# Altium PCB CM4-Tower.PcbDoc (part 5 of 10)
Units mil, origin at the board's own origin, x right, y up, seen from the top; angles counter-clockwise.
Board outline 1968.5 x 5354.33 mil, 8 copper layers (Top Layer, Layer 2, Layer 3, Layer 4, Layer 5, Layer 6, Layer 7, Bottom Layer), stack 61.408 mil thick; 632 components, 480 nets, 2338 pads, 1074 vias.
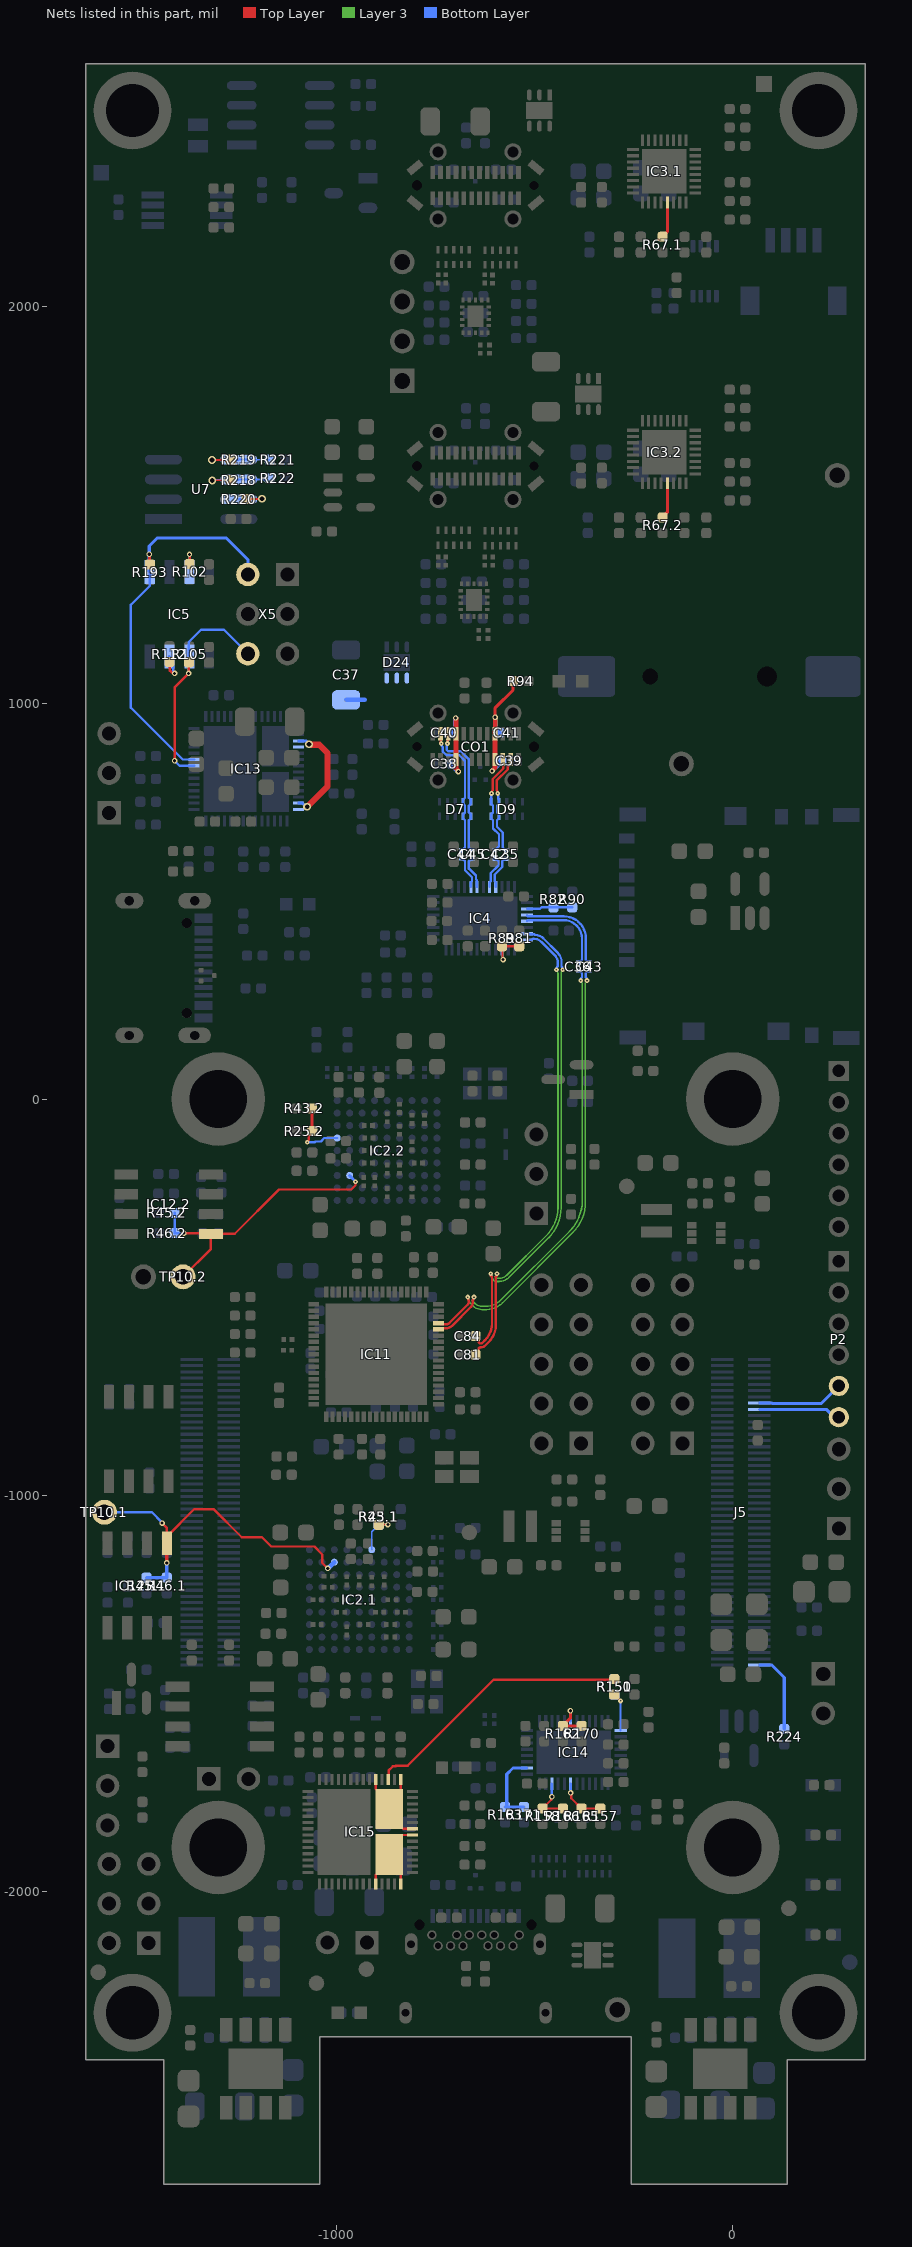
[diagram p11: the nets of this part, all layers, seen from the top]

## Via types
v1: diameter 13.78, hole 7.87, Top Layer to Bottom Layer, tented both sides, 538 vias
v2: diameter 11.81, hole 3.94, Top Layer to Bottom Layer, tented both sides, 294 vias
v3: diameter 19.68, hole 11.81, Top Layer to Bottom Layer, tented both sides, 193 vias
v4: diameter 31.5, hole 19.68, Top Layer to Bottom Layer, tented both sides, 49 vias

## Nets (pads, with @x,y where several pads share a name; then routed paths per layer and width w, separated by ;. In a path a pad name is that pad's centre, name@x,y a point inside that pad or via, vN(x,y) a via of type N, cw(c..) or ccw(c..) an arc to the next point about the centre after c; other vN are vias at no path point) (continued)
DP_SPI_DO.1: IC2.1.C2 IC12.1.5 R45.1.2 R46.1.1 TP10.1.1 | length 884.5
  Top Layer w5.91: v1(-1440.94,-1070.87) -1428.94,-1082.87 IC12.1.5@-1428.94,-1104.35 ; IC12.1.5@-1428.94,-1121.57 IC12.1.5@-1428.94,-1104.35 ; v1(-1022.75,-1185.22) -1036.43,-1171.54 -1036.43,-1149.96 -1056.47,-1129.92 -1165.35,-1129.92 -1188.98,-1106.3 -1240.16,-1106.3 -1311.02,-1035.43 -1360.02,-1035.43 IC12.1.5@-1428.94,-1104.35
  Top Layer w7.87: v1(-1429.13,-1171.26) IC12.1.5@-1429.13,-1121.77
  Bottom Layer w5.91: TP10.1.1@-1586.61,-1043.31 -1466.7,-1043.31 -1440.94,-1069.06 v1(-1440.94,-1070.87)
  Bottom Layer w7.87: R45.1.2@-1480.32,-1208.66 R46.1.1@-1429.13,-1208.66 v1(-1429.13,-1171.26)
  Bottom Layer w11.81: v1(-1022.75,-1185.22) -1022.38,-1184.84 -1021.49,-1184.84 IC2.1.C2@-1006.12,-1169.47
DP_SPI_DO.2: IC2.2.C2 IC12.2.5 R45.2.2 R46.2.1 TP10.2.1 | length 725.4
  Top Layer w5.91: TP10.2.1@-1388.19,-448.82 -1317.82,-378.45 IC12.2.5@-1317.82,-340.29 ; v1(-1385.83,-338.58) IC12.2.5@-1319.53,-338.58 ; IC12.2.5@-1317.82,-340.11 -1257.54,-340.11 -1145.78,-228.35 -963.35,-228.35 -952.76,-217.76 v2(-952.76,-208.66)
  Bottom Layer w5.91: R45.2.2@-1409.45,-287.4 R46.2.1@-1409.45,-338.58 v1(-1385.83,-338.58)
  Bottom Layer w7.87: IC2.2.C2@-967.37,-192.91 -967.37,-193.48 -952.76,-208.09 v2(-952.76,-208.66)
DP_SPI_HOLD: IC5.7 R102.2 | length 60.1
  Top Layer w6.1: v1(-1371.83,1375.37) -1371.67,1375.21 -1371.67,1351.21 R102.2@-1371.52,1351.05
  Bottom Layer w6.1: IC5.7@-1372.26,1339.85 -1371.83,1340.28 v1(-1371.83,1375.37)
DP_SPI_MISO: IC5.2 IC13.36 R105.2 X5.6 | length 584.9
  Top Layer w6.1: v1(-1409.45,854.33) -1409.45,1039.37 v1(-1374.02,1074.8) -1373.41,1075.41 -1373.41,1102.45 R105.2@-1372.8,1103.06
  Bottom Layer w6.1: v1(-1409.45,854.33) -1396.65,841.54 IC13.36@-1360.24,841.54 ; v1(-1374.02,1074.8) -1374.02,1153.54 -1342.52,1185.04 -1285.04,1185.04 X5.6@-1224.41,1124.41
DP_SPI_MOSI: IC5.5 IC13.37 R193.2 X5.2 | length 986.5
  Top Layer w7.87: v1(-1473.49,1375.68) -1472.64,1374.84 -1472.64,1350.45 R193.2@-1471.8,1349.61
  Bottom Layer w6.1: IC5.5@-1472.17,1331.03 -1472.28,1330.92 -1472.28,1295.43 -1519.69,1248.03 -1519.69,988.19 -1388.78,857.28 IC13.37@-1360.24,857.28
  Bottom Layer w7.87: IC5.5@-1472.17,1331.03 -1473.49,1332.35 -1473.49,1396.59 -1453.74,1416.34 -1278.54,1416.34 -1224.41,1362.2 X5.2@-1224.41,1324.41
DP_SPI_WP: IC5.3 R112.2 | length 85.5
  Top Layer w6.1: R112.2@-1422.37,1103.92 -1421.33,1102.87 -1421.33,1081.97 -1415.62,1076.27 -1410.92,1076.27 v1(-1409.45,1074.8)
  Bottom Layer w6.1: IC5.3@-1422.64,1117.64 -1412.43,1107.43 -1412.43,1079.86 -1409.45,1076.88 v1(-1409.45,1074.8)
DP_SSEQ0: IC4.11 R81.2 R89.1 | length 105.3
  Top Layer w5.91: v1(-580.18,351.91) -581.43,353.16 -581.43,384.58 R89.1@-582.68,385.83 R81.2@-539.37,385.83
  Bottom Layer w5.91: IC4.11@-582.68,377.95 -581.69,376.97 -581.69,355.56 -580.18,354.04 v1(-580.18,351.91)
DP_SSEQ1: IC4.3 R82.2 R90.1 | length 115.8
  Bottom Layer w5.91: IC4.3@-519.68,480.31 -487.07,480.31 -483.14,484.25 R82.2@-452.76,484.25 R90.1@-405.51,484.25
DP_TX1_C_N: C45.2 IC4.34 | length 86.3
  Bottom Layer w5.91: C45.2@-657.09,607.68 -660.04,604.72 -662.88,604.72 -666.34,601.27 -666.34,581.83 -648.62,564.12 -648.62,554.85 -646.65,552.88 -646.65,536.42 IC4.34@-645.67,535.43
DP_TX1_C_P: C44.2 IC4.33 | length 86.3
  Bottom Layer w5.91: C44.2@-685.43,607.68 -682.48,604.72 -679.64,604.72 -676.18,601.27 -676.18,577.76 -658.46,560.04 -658.46,550.2 -661.42,547.24 IC4.33@-661.42,535.43
DP_TX1_N: C45.1 CO1.3 D7.1 D7.10 | length 352.4
  Top Layer w5.91: v2(-720.47,897.64) -719.49,898.62 -719.49,921.46 CO1.3@-718.5,922.44
  Bottom Layer w5.91: v2(-720.47,897.64) -720.47,896.04 -722.43,894.08 -722.43,881.41 -718.97,877.95 -686.78,877.95 -666.34,857.51 -666.34,760.84 -662.88,757.38 -662.4,757.38 -661.42,756.4 D7.10@-661.42,750.98 -661.42,745.57 -662.4,744.59 -662.88,744.59 -666.34,741.13 -666.34,723.44 -662.88,719.98 -662.4,719.98 -661.42,719 D7.1@-661.42,713.58 -661.42,708.17 -662.4,707.19 -662.88,707.19 -666.34,703.73 -666.34,692.53 -666.34,671.54 -666.34,634.96 -662.88,631.5 -660.04,631.5 C45.1@-657.09,628.54
DP_TX1_P: C44.1 CO1.2 D7.2 D7.9 | length 353.2
  Top Layer w5.91: CO1.2@-738.19,922.44 -737.2,921.46 -737.2,898.62 v2(-736.22,897.64)
  Bottom Layer w5.91: v2(-736.22,897.64) -735.09,896.51 -735.09,891.38 -732.28,888.56 -732.28,877.34 -723.05,868.11 -690.85,868.11 -676.18,853.44 -676.18,760.84 -679.64,757.38 -680.12,757.38 -681.1,756.4 D7.9@-681.1,750.98 -681.1,745.57 -680.12,744.59 -679.64,744.59 -676.18,741.13 -676.18,723.44 -679.64,719.98 -680.12,719.98 -681.1,719 D7.2@-681.1,713.58 -681.1,708.17 -680.12,707.19 -679.64,707.19 -676.18,703.73 -676.18,688.46 -676.18,675.61 -676.18,634.96 -679.64,631.5 -682.48,631.5 C44.1@-685.43,628.54
DP_TX2_C_N: C42.2 IC4.36 | length 86.3
  Bottom Layer w5.91: IC4.36@-614.17,535.43 -614.17,547.24 -611.22,550.2 -611.22,570.56 -591.77,590.01 -591.77,600.73 -595.23,604.19 -597.9,604.19 C42.2@-600.85,607.15
DP_TX2_C_P: C35.2 IC4.37 | length 86.3
  Bottom Layer w5.91: IC4.37@-598.43,535.43 -598.43,547.24 -601.38,550.2 -601.38,566.49 -581.93,585.93 -581.93,600.73 -578.47,604.19 -575.81,604.19 C35.2@-572.85,607.15
DP_TX2_N: C42.1 CO1.23 D9.5 D9.6 | length 259.6
  Top Layer w5.91: v2(-609.25,771.65) -608.12,772.78 -608.12,777.91 -606.3,779.74 -606.3,808.22 -579.57,834.96 -579.57,855.94 CO1.23@-580.71,857.09
  Bottom Layer w5.91: v2(-609.25,771.65) -609.74,771.16 -609.74,751.48 D9.6@-610.24,750.98 -610.24,745.57 -609.25,744.59 -608.77,744.59 -605.32,741.13 -605.32,723.44 -608.77,719.98 -609.25,719.98 -610.24,719 D9.5@-610.24,713.58 -610.24,708.17 -609.25,707.19 -608.77,707.19 -605.32,703.73 -605.32,683.42 -590.55,668.66 -590.55,653.46 -590.55,638.31 C42.1@-600.85,628.01
DP_TX2_P: C35.1 CO1.22 D9.4 D9.7 | length 262.5
  Top Layer w5.91: v2(-593.5,771.65) -594.63,772.78 -594.63,777.91 -596.46,779.74 -596.46,804.15 -567.91,832.69 -567.91,839.37 -561.02,846.26 CO1.22@-561.02,857.09
  Bottom Layer w5.91: v2(-593.5,771.65) -592.37,770.52 -592.37,758.22 -590.55,756.4 D9.7@-590.55,750.98 -590.55,745.57 -591.54,744.59 -592.01,744.59 -595.47,741.13 -595.47,723.44 -592.01,719.98 -591.54,719.98 -590.55,719 D9.4@-590.55,713.58 -590.55,708.17 -591.54,707.19 -592.01,707.19 -595.47,703.73 -595.47,687.5 -580.71,672.74 -580.71,649.38 -580.71,635.87 C35.1@-572.85,628.01
DP_USB3_RX_C_N: C43.1 IC4.4 | length 247.9
  Bottom Layer w5.91: IC4.4@-519.68,464.57 ccw(c-516.73,464.57) -516.73,461.61 -463.72,461.61 -427.16,461.61 cw(c-427.16,405.52) -371.06,405.52 -371.06,351.49 -367.6,348.03 -365.16,348.03 C43.1@-362.2,345.08
DP_USB3_RX_C_P: C36.1 IC4.5 | length 232.4
  Bottom Layer w5.91: IC4.5@-519.68,448.82 cw(c-516.73,448.82) -516.73,451.77 -427.16,451.77 cw(c-427.16,405.52) -380.91,405.52 -380.91,351.49 -384.37,348.03 -386.81,348.03 C36.1@-389.76,345.08
DP_USB3_RX_N: C43.2 IC11.65 | length 1152.2
  Top Layer w5.91: IC11.65@-742.92,-565.82 ccw(c-736.75,-559.64) -736.75,-568.38 -724.49,-568.38 ccw(c-723.54,-567.43) -723.54,-568.77 ccw(c-723.54,-558.31) -716.14,-565.71 -669.1,-518.67 ccw(c-675.78,-511.99) -666.34,-511.99 -666.34,-509.37 ccw(c-669.45,-509.37) -667.25,-507.18 cw(c-665.05,-504.97) -668.16,-504.97 -668.16,-502.73 ccw(c-672.02,-502.73) v2(-669.29,-500)
  Layer 3 w3.94: v2(-669.29,-500) ccw(c-664.15,-500) v2@-667.79,-503.63 ; v2@-667.78,-503.64 -667.32,-504.1 cw(c-672.08,-508.85) -665.35,-508.85 -665.35,-509.42 ccw(c-657.27,-509.42) -664.5,-513.03 ccw(c-657.27,-509.42) -662.99,-515.13 ; -662.99,-515.13 -655.96,-522.16 ccw(c-633.42,-499.62) -633.42,-531.5 -621.86,-531.5 ccw(c-621.86,-474.83) -581.8,-514.91 ; -581.79,-514.9 -404.57,-337.68 ccw(c-483.08,-259.17) -372.05,-259.17 -372.05,293.14 -368.11,297.08 v2(-368.11,299.21)
  Bottom Layer w5.91: v2(-368.11,299.21) -368.11,304.34 -371.06,307.3 -371.06,317.8 -367.6,321.26 -365.16,321.26 C43.2@-362.2,324.21
DP_USB3_RX_P: C36.2 IC11.64 | length 1142.4
  Top Layer w5.91: IC11.64@-742.92,-581.57 cw(c-736.75,-587.75) -736.75,-579.01 -724.49,-579.01 cw(c-723.54,-579.96) -723.54,-578.61 -723.48,-578.61 ccw(c-723.48,-558.44) -709.22,-572.71 -660.7,-524.19 ccw(c-670.86,-514.03) -656.5,-514.03 -656.5,-509.37 cw(c-653.38,-509.37) -655.59,-507.18 ; -655.58,-507.17 ccw(c-657.79,-504.97) -654.67,-504.97 -654.67,-502.73 cw(c-650.82,-502.73) v2(-653.54,-500)
  Layer 3 w3.94: v2@-655.05,-503.64 -656.27,-504.85 ccw(c-653.33,-507.79) -657.48,-507.79 ccw(c-653.33,-507.79) -656.27,-510.72 -650.42,-516.56 ccw(c-633.38,-499.52) -633.38,-523.62 -625.12,-523.62 ccw(c-625.12,-466.95) -585.05,-507.02 -412.44,-334.42 ccw(c-490.96,-255.91) -379.92,-255.91 -379.92,293.14 -383.86,297.08 v2(-383.86,299.21) ; v2@-655.04,-503.63 ccw(c-658.69,-500) v2(-653.54,-500)
  Bottom Layer w5.91: C36.2@-389.76,324.21 -386.81,321.26 -384.37,321.26 -380.91,317.8 -380.91,307.3 -383.86,304.34 v2(-383.86,299.21)
DP_USB3_TX_N: C84.1 IC4.7 | length 1244.3
  Top Layer w5.91: C84.1@-649.61,-598.43 C84.1@-645.09,-602.94 ; C84.1@-645.08,-602.95 cw(c-651.85,-609.7) -642.29,-609.7 -642.29,-611.22 ccw(c-636.38,-611.22) -640.56,-615.4 ccw(c-636.38,-611.22) -636.38,-617.13 ccw(c-636.38,-611.22) -632.21,-615.4 -625.49,-608.68 ; -625.49,-608.68 ccw(c-667.23,-566.93) -608.19,-566.93 -608.19,-449.03 -611.15,-446.08 v2(-611.15,-440.94)
  Layer 3 w3.94: v2(-611.15,-440.94) ccw(c-606,-440.94) v2@-609.65,-444.57 ; v2@-609.64,-444.58 -609.18,-445.04 cw(c-613.93,-449.8) -607.21,-449.8 -607.21,-450.36 ccw(c-599.12,-450.36) -604.85,-456.07 -603.74,-457.18 ccw(c-595.41,-448.85) -595.41,-460.63 -589.6,-460.63 ccw(c-589.6,-426.55) -565.5,-450.65 -465.07,-350.22 ccw(c-541.28,-274.02) -433.51,-274.02 -433.51,317.27 cw(c-425.21,317.27) -431.07,323.13 ccw(c-434.71,326.77) v2(-429.57,326.77) cw(c-429.57,328.4) v2@-430.72,327.25
  Bottom Layer w5.91: IC4.7@-519.68,417.32 ccw(c-517.31,419.7) -517.31,416.34 -503.63,416.34 cw(c-503.63,412.98) -501.26,415.36 ccw(c-498.88,417.73) -498.88,414.37 cw(c-498.88,385.86) -498.46,414.37 ccw(c-498.43,420.27) -498.35,414.37 -498.15,414.37 cw(c-498.15,407.48) -497.51,414.34 ccw(c-497.02,420.23) -497.38,414.33 cw(c-498.88,385.86) -478.73,406.04 ; -478.71,406.02 -442.76,370.07 cw(c-469.32,343.51) -432.52,351.03 -432.52,336.14 ccw(c-429.41,336.14) -431.76,334.11 ccw(c-429.41,336.14) -431.61,333.94 cw(c-433.81,331.74) -430.7,331.74 -430.7,329.5 ccw(c-426.84,329.5) v2(-429.57,326.77)
DP_USB3_TX_P: C81.1 IC4.8 | length 1222.1
  Top Layer w5.91: C81.1@-649.61,-645.67 -645.08,-641.15 ccw(c-651.85,-634.39) -642.29,-634.39 -642.29,-632.87 cw(c-636.38,-632.87) -640.56,-628.7 cw(c-636.38,-632.87) -636.38,-626.97 ccw(c-636.34,-611.33) -625.28,-622.39 -615.64,-612.75 ccw(c-657.39,-571.01) -598.35,-571.01 -598.35,-449.03 -595.4,-446.08 v2(-595.4,-440.94)
  Layer 3 w3.94: v2@-596.91,-444.58 -598.06,-445.74 ccw(c-594.98,-448.82) -599.34,-448.82 ccw(c-595.4,-448.82) -599.31,-449.28 ccw(c-595.4,-448.82) -598.18,-451.6 ccw(c-595.4,-448.82) -595.4,-452.76 -589.67,-452.76 ccw(c-589.67,-426.36) -571.02,-445.03 ; v2@-596.9,-444.57 ccw(c-600.54,-440.94) v2(-595.4,-440.94) ; -571.01,-445.02 -470.67,-344.68 ccw(c-541.38,-273.97) -441.38,-273.97 -441.38,317.27 ccw(c-449.68,317.27) -443.81,323.13 cw(c-440.17,326.77) v2(-445.32,326.77) v2@-441.38,326.77
  Bottom Layer w5.91: IC4.8@-519.68,401.57 -509.96,401.57 ccw(c-509.96,406.62) -506.4,403.05 cw(c-502.83,399.49) -502.83,404.53 cw(c-502.83,376.3) -482.87,396.26 -450.12,363.51 cw(c-470.69,342.94) -442.36,349.55 -442.36,336.14 cw(c-445.48,336.14) -443.27,333.94 ccw(c-441.07,331.74) -444.19,331.74 -444.19,329.5 cw(c-448.04,329.5) v2(-445.32,326.77)
DP_VBUS: C37.1 C38.1 C39.1 C40.1 C41.1 CO1.4 CO1.9 CO1.24 CO1.29 D24.4 D24.5 D24.6 IC13.3 IC13.4 IC13.13 IC13.14 R94.1 | length 847
  Top Layer w7.87: v1(-600.03,963.96) -600.03,987.61 -555.12,1032.52 R94.1@-555.12,1055.12
  Top Layer w11.81: v1(-699.74,962.17) -699.74,961.63 -698.82,960.71 CO1.4@-698.82,922.44 CO1.29@-698.82,857.09 -698.82,834.65 -693.29,829.12 -693.29,827.15 v1(-692.91,826.77) ; v1(-607.76,828.33) -607.76,828.86 -600.39,836.22 CO1.9@-600.39,922.44 CO1.9@-600.39,933.27 ; CO1.9@-600.03,933.64 v1@-600.03,963.42
  Top Layer w15.75: v3(-1074.8,737.82) -1023.62,789.01 -1023.62,874.02 -1044.02,894.41 -1068.7,894.41 v3(-1070.2,895.92)
  Bottom Layer w7.87: IC13.13@-1096.46,747.05 -1086.61,747.05 -1086.61,746.52 -1077.92,737.82 v3(-1074.8,737.82) ; IC13.3@-1096.46,904.53 -1077.79,904.53 -1070.2,896.95 v3(-1070.2,895.92)
  Bottom Layer w11.81: C37.1@-976.38,1007.87 -929.13,1007.87 ; C38.1@-708.66,846.46 -708.66,842.52 v1(-692.91,826.77) ; C40.1@-708.66,925.2 -702.08,931.78 -702.08,935.99 -700.12,937.95 -700.12,961.79 v1(-699.74,962.17) ; v1(-607.76,828.33) -607.76,828.86 -592.13,844.49 -592.13,845.64 -584.25,853.51 C39.1@-584.25,853.78 ; v1(-600.03,963.96) -600.03,934.94 -590.55,925.46 C41.1@-590.55,925.2
DPQ0: IC14.14 R162.2 R170.1 | length 119.7
  Top Layer w7.87: v1(-410.16,-1544.63) -410.16,-1563.7 R162.2@-429.13,-1582.68 R170.1@-381.89,-1582.68
  Bottom Layer w7.87: v1(-410.16,-1544.63) -409.45,-1545.34 IC14.14@-409.45,-1570.87
DPQ1: IC14.2 R163.2 R171.1 | length 183.7
  Bottom Layer w7.87: R163.2@-574.8,-1787.4 R171.1@-527.56,-1787.4 ; R163.2@-570.87,-1783.46 -570.87,-1704.68 -555.16,-1688.98 IC14.2@-519.68,-1688.98
DPTX_CONFIG2.1: IC2.1.F1 R25.1.1 R43.1.2 | length 117.1
  Top Layer w4.92: R25.1.1@-893.92,-1074.98 -893.64,-1074.7 -871.35,-1074.7 v1(-871.07,-1074.43)
  Bottom Layer w4.92: IC2.1.F1@-911.05,-1137.97 IC2.1.F1@-911.63,-1137.97 -911.63,-1092.7 -893.64,-1074.71 -871.35,-1074.71 v1(-871.07,-1074.43)
DPTX_CONFIG2.2: IC2.2.F1 R25.2.1 R43.2.2 | length 171.4
  Top Layer w4.92: R25.2.1@-1069.55,-88.4 R25.2.1@-1061.86,-80.71
  Top Layer w5.91: v2(-1074.42,-109.31) -1074.42,-106.61 -1070.44,-102.63 -1070.44,-89.29 R25.2.1@-1069.55,-88.4
  Top Layer w7.87: R43.2.2@-1062.99,-23.62 -1062.42,-24.19 -1062.42,-80.14 R25.2.1@-1061.86,-80.71
  Bottom Layer w5.91: v2(-1074.42,-109.31) -1055.59,-109.31 -1053.38,-107.1 -1040.17,-107.1 -1031.5,-98.43 IC2.2.F1@-998.86,-98.43
DRAIN1: IC15.8 IC15.15 IC15.19 IC15.58 | length 261.8
  Top Layer w5.91: IC15.19@-901.57,-1718.5 -901.57,-1742.13 -867.13,-1776.57 IC15.58@-867.13,-1792.32 ; IC15.15@-838.58,-1718.5 -838.58,-1763.78 IC15.58@-867.13,-1792.32 ; IC15.8@-809.06,-1842.52 -832.68,-1842.52 -867.13,-1808.07 IC15.58@-867.13,-1792.32
DRAIN2: IC15.7 IC15.52 IC15.56 IC15.57 | length 264
  Top Layer w5.91: IC15.52@-901.57,-1982.28 -901.57,-1958.66 -867.13,-1924.21 IC15.57@-867.13,-1907.48 ; IC15.56@-838.58,-1982.28 -838.58,-1936.02 IC15.57@-867.13,-1907.48 ; IC15.7@-809.06,-1858.27 -834.65,-1858.27 -867.13,-1890.75 IC15.57@-867.13,-1907.48
EEPROM_SCL: R218.2 R222.2 U7.6 | length 182.7
  Top Layer w4.92: v3(-1314.31,1561.88) -1313.75,1562.43 -1268.27,1562.43 R218.2@-1267.72,1562.99
  Bottom Layer w4.92: v3(-1314.31,1561.88) -1313.06,1563.12 -1248.59,1563.12 U7.6@-1247.34,1564.37 R222.2@-1179.72,1564.37
EEPROM_SDA: R219.2 R221.2 U7.5 | length 194.4
  Top Layer w4.92: v3(-1315.1,1613.41) -1314.71,1613.79 -1268.1,1613.79 R219.2@-1267.72,1614.17
  Bottom Layer w4.92: v3(-1315.1,1613.41) -1314.61,1613.89 -1247.82,1613.89 U7.5@-1247.34,1614.37 -1212.8,1614.37 -1212.99,1614.17 R221.2@-1169.29,1614.17
EEPROM_WP: R220.1 U7.7 | length 98
  Top Layer w4.92: R220.1@-1227.66,1514.76 -1227.16,1515.25 -1189.47,1515.25 v3(-1188.98,1515.75)
  Bottom Layer w4.92: U7.7@-1247.34,1514.37 -1246.65,1515.06 -1189.67,1515.06 v3(-1188.98,1515.75)
EN.1: IC3.1.5 R67.1.2 | length 91.5
  Top Layer w7.87: R67.1.2@-177.17,2177.17 -177.17,2178.5 -165.35,2190.31 IC3.1.5@-165.35,2263.78
EN.2: IC3.2.5 R67.2.2 | length 91.5
  Top Layer w7.87: R67.2.2@-177.17,1468.32 -177.17,1469.65 -165.35,1481.46 IC3.2.5@-165.35,1554.93
EQ0: IC14.38 R158.2 R166.1 | length 124
  Top Layer w5.91: v1(-456.93,-1761.61) -458.44,-1763.12 -458.44,-1769.46 R158.2@-480.32,-1791.34 R166.1@-429.13,-1791.34
  Bottom Layer w5.91: v1(-456.93,-1761.61) -456.81,-1761.49 -456.81,-1728.47 IC14.38@-456.69,-1728.35
EQ1: IC14.35 R157.2 R165.1 | length 121.7
  Top Layer w5.91: v1(-409.45,-1751.97) -407.94,-1753.48 -407.94,-1765.29 R165.1@-381.89,-1791.34 R157.2@-334.65,-1791.34
  Bottom Layer w5.91: v1(-409.45,-1751.97) IC14.35@-409.45,-1728.35
ETH_LEDG: J5.17 P2.6 | length 208.9
  Bottom Layer w7.87: J5.17@66.93,-783.46 236.31,-783.46 256,-803.15 P2.6@267.72,-803.15
ETH_LEDY: J5.15 P2.5 | length 219.5
  Bottom Layer w7.87: J5.15@66.93,-767.72 98.38,-767.72 99.37,-768.7 223.43,-768.7 P2.5@267.72,-724.41
FLIP: IC15.17 R150.1 | length 689.6
  Top Layer w5.91: IC15.17@-870.08,-1718.5 -869.09,-1717.52 -869.09,-1695.73 -858.4,-1685.04 -852.07,-1685.04 -850.1,-1683.07 -820.87,-1683.07 -603.63,-1465.84 R150.1@-297.94,-1465.84
FLIP/SCL: IC14.21 R150.2 R151.2 | length 119.3
  Top Layer w4.92: R150.2@-299.21,-1503.94 v2(-283.46,-1519.69)
  Bottom Layer w4.92: R151.2@-299.21,-1503.94 v2(-283.46,-1519.69) IC14.21@-283.46,-1594.49
GLOBAL_EN: J5.99 R224.2 | length 206
  Bottom Layer w7.87: J5.99@66.93,-1429.13 98.43,-1429.13 129.92,-1460.63 R224.2@129.92,-1590.55